# Altium PCB clock.PcbDoc (part 3 of 3)
Units mil, origin at the board's own origin, x right, y up, seen from the top; angles counter-clockwise.
Board outline 2362.2 x 2952.76 mil, 4 copper layers (Top Copper, Signal Layer 1, Signal Layer 2, Bottom Copper), stack 61.811 mil thick; 158 components, 86 nets, 506 pads, 629 vias.
Unrouted connection lines stored in the file: 8.
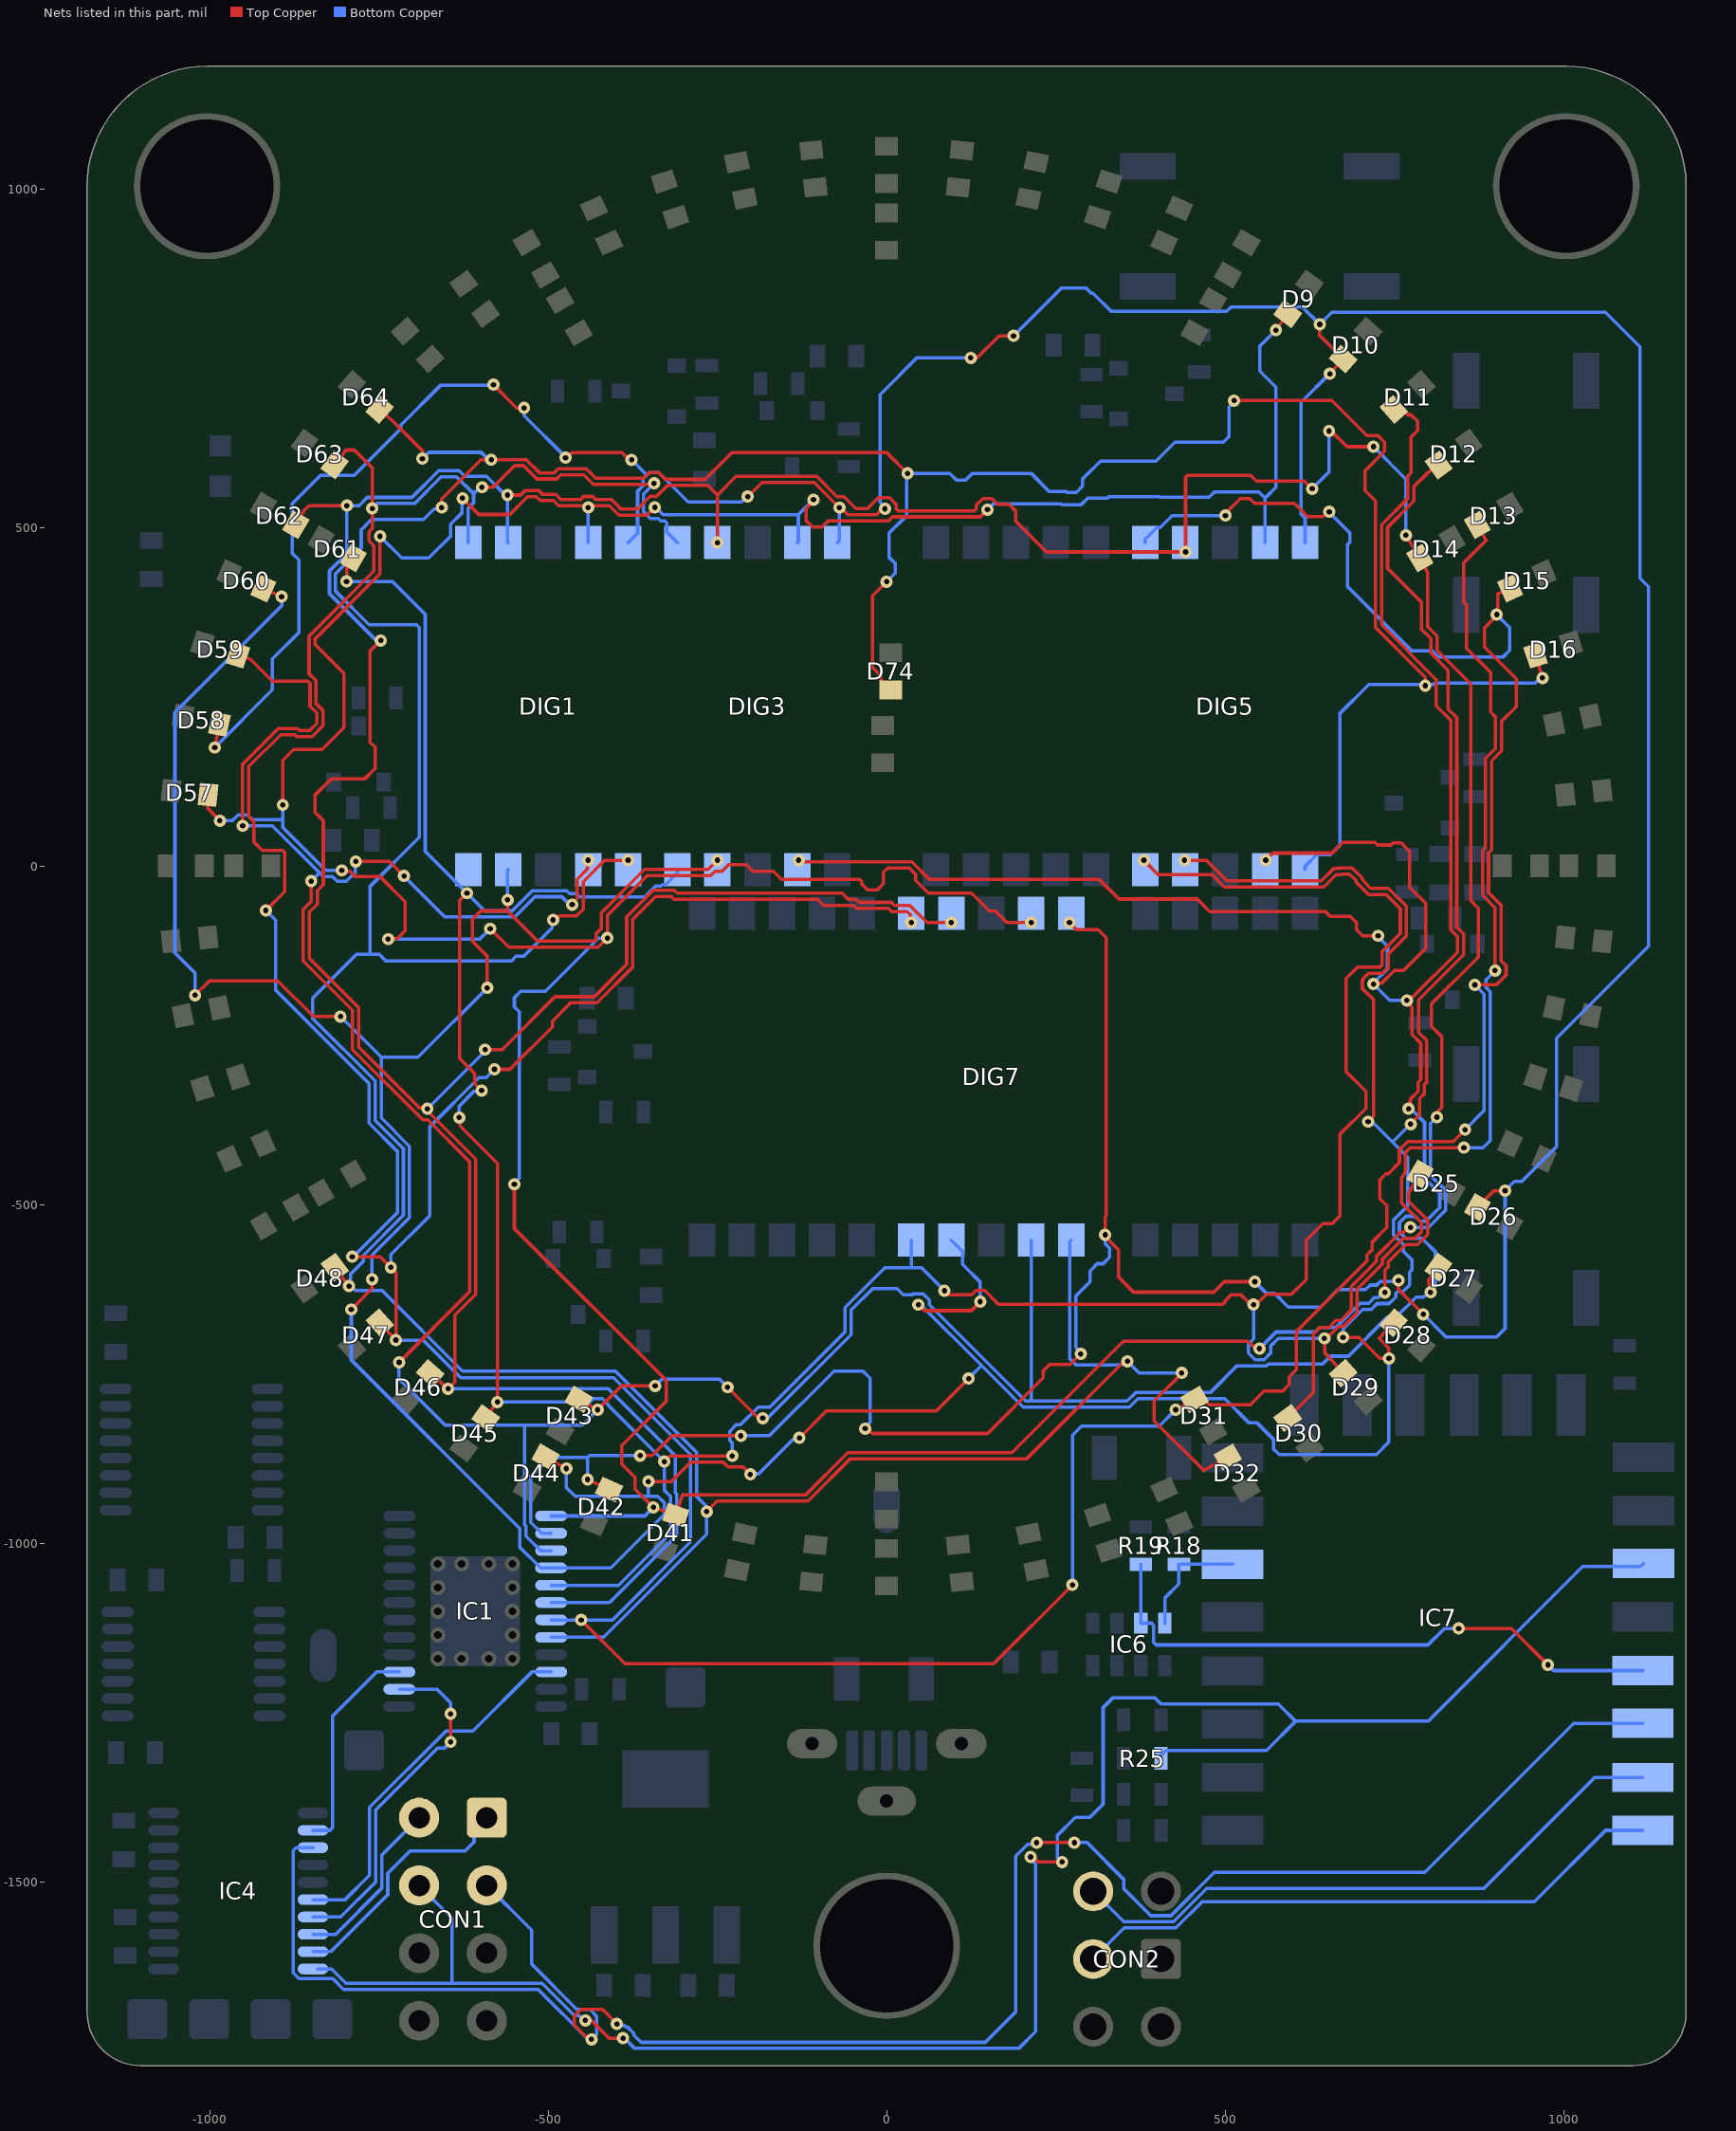
[diagram p5: the nets of this part, all layers, seen from the top]

## Via types
v1: diameter 18.11/18.11/18.11/18.11 (per signal layer), hole 7.87, Top Copper to Bottom Copper, tented both sides, 610 vias
v2: diameter 22, hole 11.81, Top Copper to Bottom Copper, tented both sides, 18 vias
v3: diameter 59.06, hole 39.37, Top Copper to Bottom Copper, tented both sides, 1 vias

## Nets (pads, with @x,y where several pads share a name; then routed paths per layer and width w, separated by ;. In a path a pad name is that pad's centre, name@x,y a point inside that pad or via, vN(x,y) a via of type N, cw(c..) or ccw(c..) an arc to the next point about the centre after c; other vN are vias at no path point) (continued)
ROW08: D9.2 D25.2 D41.2 D57.2 DIG1.7 DIG3.7 DIG5.7 DIG7.7 IC1.13 | length 6771.3
  Top Copper w5: D57.2@-1002.35,105.35 -1002.35,84.46 v1(-984.97,67.08) ; v1(-892.06,90.2) -892.06,156.15 -876.18,172.03 -833.97,172.03 -801.74,204.26 -801.74,284.5 -844.23,326.99 -844.23,335.77 -748.43,431.56 v1(-748.43,486.91) ; v1(-804.82,-6.39) -803.47,-7.73 -792.75,-7.73 -784.69,-15.8 -748.2,-15.8 -711.48,-52.52 -711.48,-95.65 -723.35,-107.52 -735.98,-107.52 v1(-736.37,-107.91) ; v1(-626.52,543.16) -602.54,519.19 -556.84,519.19 -530.74,545.28 -517.26,545.28 -511.8,539.82 -492.44,539.82 -484.61,531.99 -409.75,531.99 -395.77,518 -354.26,518 v1(-342.6,529.66) ; v1(-585.71,-92.56) -558.27,-120 -426.29,-120 v1(-412.62,-106.32) -412.62,-72.91 -353.9,-14.2 -260.05,-14.2 -253.55,-7.7 -243.26,-7.7 -233.56,2 -207.38,2 -197.69,-7.7 -167.15,-7.7 -155.15,-19.7 -40.23,-19.7 -37.3,-22.62 -37.3,-25.82 -27.76,-35.35 -14.28,-35.35 -4.74,-25.82 -4.74,-9.33 1.79,-2.79 33.46,-2.79 43,-12.33 43,-21.21 61.79,-40 125.28,-40 151.98,-66.69 160.86,-66.69 177.55,-83.39 v1(213.58,-83.39) ; v1(-550,-470) -550,-535.37 -325.74,-759.64 -325.74,-790.49 -391.18,-855.93 -391.18,-883.4 -371.71,-902.86 -371.71,-920.09 v1(-344.71,-947.09) D41.2@-311.45,-958.54 -301.85,-929 -119.93,-929 -57.11,-866.18 184.99,-866.18 349.51,-701.66 533.87,-701.66 544.88,-712.68 v1(550.79,-712.68) ; v1(-440.94,529.48) v1@-440.94,532 ; v1(-108.18,541.07) -107.52,540.42 -107.52,539.42 -118.73,528.21 -118.73,510.04 -109.2,500.51 -95.71,500.51 -86.5,509.72 2.66,509.72 8.66,515.72 138.12,515.72 v1(148.83,526.43) ; v1(575.06,791.5) D9.2@592.41,815.39 ; v1(735.87,-629.84) 735.87,-596.78 741.26,-591.39 741.26,-584.3 766.74,-558.83 784.22,-558.83 799.03,-544.02 799.03,-522.94 771.26,-495.17 771.26,-481.93 D25.2@787.61,-454.72
  Bottom Copper w5: v1(-984.97,67.08) -966.67,67.08 -958.09,75.66 -944.6,75.66 -937.32,68.38 -892.06,68.38 ; v1(-892.06,90.2) -892.06,68.38 ; v1(-804.82,-6.39) -828.79,-6.39 -892.06,56.88 -892.06,68.38 ; v1(-748.43,486.91) -716.52,455 -676.3,455 -644.3,487 -644.3,504.82 -627.11,522.01 -627.11,542.56 v1(-626.52,543.16) ; v1(-736.37,-107.91) -601.05,-107.91 v1(-585.71,-92.56) ; v1(-550,-470) -550,-467.8 -542.72,-460.52 -542.72,-215.32 -550,-208.04 -550,-194.55 -540.46,-185.01 -504.01,-185.01 -425.68,-106.68 -412.97,-106.68 v1(-412.62,-106.32) ; IC1.13@-495.59,-959.88 -357.5,-959.88 v1(-344.71,-947.09) ; DIG1.7@-440.94,477.64 v1@-440.94,527.52 ; v1(-342.6,529.66) -341.07,529.66 -330.13,518.72 -130.53,518.72 ; DIG3.7@-131.89,477.64 -130.53,479 -130.53,518.72 ; v1(-108.18,541.07) -130.53,518.72 ; v1(148.83,526.43) 157.3,534.91 257.92,534.91 259.06,533.77 287.45,533.77 297.04,543.36 326.36,543.36 328.68,545.68 402.32,545.68 403.43,544.57 476.3,544.57 484.36,552.64 549.78,552.64 559.06,543.36 DIG5.7@559.06,477.64 ; v1(550.79,-712.68) 575.32,-688.15 632.97,-688.15 639.82,-681.3 663.73,-681.3 699.31,-645.72 712.27,-645.72 720.88,-637.12 726.38,-637.12 733.66,-629.84 v1(735.87,-629.84) ; 561.38,545.68 575.06,559.36 575.06,707.42 551.32,731.16 551.32,767.77 v1(575.06,791.5)
ROW09: D10.2 D26.2 D42.2 D58.2 DIG1.6 DIG3.6 DIG5.6 DIG7.6 IC1.14 | length 7707.8
  Top Copper w5: v1(-992.56,175.02) D58.2@-985.85,209.55 ; v1(-580.84,710.83) -546.63,676.62 v1(-535.61,676.62) ; v1(-474.29,603.01) -472.08,603.01 -464.8,610.29 -390.9,610.29 v1@-380.44,599.84 ; v1(-441.82,-905.87) D42.2@-409.94,-920.74 ; v1(-364.32,-870.66) -346.37,-870.66 -317.14,-841.43 v1(-215.52,-841.43) ; v1(-205.15,545.52) -184.21,566.45 -106.95,566.45 v1(-69.86,529.36) -67.73,529.36 -57.09,518.72 -14.91,518.72 -5.99,527.64 v1(-2.44,527.64) ; v1(-31.78,-830.72) -28.23,-830.72 -20.95,-838 149.05,-838 231.12,-755.93 231.12,-745.64 240.65,-736.1 271.18,-736.1 v1(286.65,-720.63) ; v1(124.16,750.44) 133.44,750.44 165.96,782.96 v1(187.43,782.96) ; v1(270,-83.39) 280.57,-93.96 312.51,-93.96 324.35,-105.8 324.35,-516.25 322.82,-517.78 v1(322.8,-544.55) ; v1@322.8,-542.55 v1(322.8,-544.55) ; v1(543.83,-613.88) 498.87,-613.88 483.38,-629.37 364.7,-629.37 342.36,-607.03 342.36,-567.06 322.8,-547.5 v1(322.8,-544.55) ; v1(639.76,799.94) 639.76,783.64 D10.2@674.4,749 v1@656.41,729.01 ; v1(756.04,-612.07) 756.11,-612.14 756.11,-625.42 v1(792.7,-662.01) ; D26.2@872.84,-503.94 897.27,-479.51 v1(913.65,-479.51)
  Bottom Copper w5: v1(-992.56,175.02) -907.29,260.28 -907.29,305.98 -868.48,344.78 -868.48,452.09 -878.21,461.81 -878.21,535.27 -836.25,577.23 -786.35,577.23 -717.54,646.04 -717.54,651.28 -658.53,710.29 -581.38,710.29 v1(-580.84,710.83) ; v1(-535.61,676.62) -535.61,665.15 -474.29,603.82 v1(-474.29,603.01) ; IC1.14@-495.59,-985.47 -509.35,-985.47 -525.72,-969.1 -525.72,-901.63 -497.71,-873.62 -441.82,-873.62 v1(-441.82,-905.87) ; -441.82,-873.59 -438.89,-870.66 v1(-364.32,-870.66) ; DIG1.6@-381.89,477.64 -367.88,491.64 -367.88,553.59 -359.93,561.55 -359.93,571.84 -354.41,577.36 ; v1(-376.9,599.84) -354.41,577.36 ; v1(-215.52,-841.43) -215.35,-841.27 -173.21,-841.27 -77.66,-745.72 -35.26,-745.72 -24.5,-756.48 -24.5,-821.24 -31.78,-828.52 v1(-31.78,-830.72) ; v1(-205.15,545.52) -207.08,545.52 -214.64,537.96 -293.48,537.96 -336.9,581.38 -350.39,581.38 -354.41,577.36 ; DIG3.6@-72.83,477.64 -69.86,480.61 v1(-69.86,529.36) ; v1(-2.44,527.64) -2.44,529.84 -9.72,537.12 -9.72,696.19 44.53,750.44 v1(124.16,750.44) ; v1(187.43,782.96) 257.77,853.3 294.94,853.3 302.24,846 304.81,846 331.62,819.19 502.21,819.19 508.3,825.28 614.42,825.28 v1(639.76,799.94) 657.82,818 1061.71,818 1112.93,766.79 1112.93,424.8 1125.56,412.17 1125.56,-118.44 989.74,-254.26 989.74,-414.26 938.04,-465.96 927.2,-465.96 v1(913.65,-479.51) 913.65,-682.69 900.6,-695.74 826.42,-695.74 v1(792.7,-662.01) ; v1(286.65,-720.63) 286.65,-718.43 279.37,-711.15 279.37,-634.85 300.38,-613.84 300.38,-598.07 311.17,-587.28 319.74,-587.28 329.28,-577.74 329.28,-564.26 322.81,-557.79 v1(322.8,-544.55) ; v1(543.83,-613.88) 560.79,-630.84 572.88,-630.84 593.23,-651.2 641.03,-651.2 666.53,-625.69 707.42,-625.69 714.33,-618.79 723.9,-618.79 729.12,-613.56 754.56,-613.56 v1(756.04,-612.07) ; DIG5.6@618.11,477.64 618.11,513.95 612.26,519.8 612.26,684.67 v1(654.64,727.05)
ROW10: D11.2 D27.2 D43.2 D59.2 DIG1.4 DIG3.4 DIG5.4 DIG7.4 IC1.15 | length 7443.1
  Top Copper w5: D59.2@-958.54,311.45 -939.82,305.37 -907.61,273.16 -855.14,273.16 -851.8,269.82 -851.8,235.95 -841.84,225.99 -841.84,210.88 -852.53,200.19 -867.65,200.19 -870.46,203 -898.84,203 -951.34,150.49 v1(-951.34,59.38) ; v1(-850.1,-22.26) -850.1,-52.27 -861.97,-64.15 -861.97,-140.02 -789.07,-212.93 -789.07,-270.93 -685.23,-374.77 -677.96,-374.77 -615.98,-436.75 -615.98,-628.66 v1(-720.23,-732.91) ; v1(-784.2,6.73) -734.39,6.73 v1(-713.04,-14.61) ; v1(-464.58,-57.08) -464.58,-54.88 -457.3,-47.6 -457.3,-19.57 -441.75,-4.02 -441.75,7.78 v1(-440.94,8.58) ; D43.2@-454.72,-787.61 v1@-427.03,-803.12 ; v1(-426.96,-803) -391.85,-767.88 v1(-342.02,-767.88) ; v1(-235.05,-769.78) -189.49,-815.34 v1(-183.08,-815.34) ; v1(-130,8.58) -127.62,6.21 37.19,6.21 63.39,-20 314.27,-20 343.07,-48.79 458.8,-48.79 464,-54 ; 464.02,-54 477.12,-67.1 648.21,-67.1 655.29,-74.17 684.57,-74.17 694.1,-83.71 694.1,-94 703.13,-103.03 v1(725.88,-103.03) ; v1(560,8.58) 570.57,19.15 657.98,19.15 673.61,34.78 721.35,34.78 725.05,31.08 745.22,31.08 748.63,34.5 759.86,34.5 772.58,21.78 772.58,-31.43 796.26,-55.11 796.26,-121.65 763.69,-154.21 750.15,-154.21 731.55,-172.81 720.74,-172.81 v1(719.18,-174.37) ; D11.2@749,674.4 762.68,674.4 770.8,666.28 774.74,666.28 784.28,656.74 784.28,643.26 774.45,633.43 774.45,580.45 770,576 770,542.9 731.01,503.92 731.01,356.22 811.94,275.3 811.94,236.56 833.26,215.24 833.26,-94.18 843.16,-104.08 843.16,-127.43 777,-193.59 ; v1(768.49,-198.49) 768.49,-200.27 776.19,-207.97 776.19,-248.92 789,-261.73 789,-315.35 785,-319.35 785,-332.87 773.54,-344.33 773.54,-355.97 v1(771.03,-358.48) ; v1@803.14,-630.58 800.49,-612.36 D27.2@815.39,-592.41
  Bottom Copper w5: v1(-951.34,59.38) -907.29,59.38 -837.88,-10.03 ; v1(-850.1,-22.26) -837.88,-10.03 ; v1(-784.2,6.73) -785.23,5.7 -785.23,-9.82 -798.08,-22.67 -811.56,-22.67 -818.84,-15.39 -832.52,-15.39 -837.88,-10.03 ; v1(-720.23,-732.91) -720.23,-757.77 -652.25,-825.75 -534.72,-825.75 ; v1(-713.04,-14.61) -652.37,-75.28 -549.53,-75.28 -519.55,-45.3 -479.91,-45.3 -468.12,-57.08 v1(-464.58,-57.08) ; IC1.15@-495.59,-1011.06 -511.34,-1011.06 -532.87,-989.53 -532.87,-974.67 -534.72,-972.83 -534.72,-825.75 ; v1(-426.96,-803) -449.71,-825.75 -534.72,-825.75 ; v1(-342.02,-767.88) -331.69,-757.56 -247.27,-757.56 v1(-235.05,-769.78) ; v1(-183.08,-815.34) -175.98,-815.34 -52.51,-691.87 -52.51,-655.78 -20.63,-623.9 15.59,-623.9 24.7,-633 38.18,-633 39.63,-631.56 53.57,-631.56 63.11,-641.09 63.11,-648.01 205.34,-790.24 213.58,-790.24 ; DIG7.4@213.58,-552.44 213.58,-790.24 ; v1(725.88,-103.03) 725.88,-104.35 740,-118.46 740,-151.77 719.18,-172.6 v1(719.18,-174.37) 743.3,-198.49 v1(768.49,-198.49) ; v1(771.03,-358.48) 774.4,-358.48 794.55,-378.62 794.55,-460.74 817,-483.19 817,-504.27 796.73,-524.55 787.78,-524.55 780.5,-517.27 767.01,-517.27 757.47,-526.8 757.47,-540.29 767.01,-549.83 790.71,-549.83 810.68,-569.8 810.68,-619.97 803.4,-627.25 v1(803.4,-629.45) 800.47,-629.45 793.19,-636.73 782.22,-636.73 753.11,-665.85 740.06,-665.85 682.08,-723.82 655.56,-723.82 644.08,-735.29 563.93,-735.29 561.26,-737.96 517.71,-737.96 477.95,-777.72 367.63,-777.72 355.1,-790.24 213.58,-790.24
ROW11: D12.2 D28.2 D44.2 D60.2 DIG1.2 DIG3.2 DIG5.2 DIG7.2 IC1.16 | length 7421.8
  Top Copper w5: v1(-1021.66,-190.7) -1000.38,-169.42 -899.58,-169.42 -846.69,-222.31 v1(-806.71,-222.31) ; D60.2@-920.74,409.94 v1(-893.76,397.93) ; v1(-790.89,-654.88) -760.27,-624.27 v1(-760.27,-610.31) ; v1(-590,-180) -590,-132.99 -611.69,-111.3 -611.69,-78.67 -599.3,-66.28 -562.87,-66.28 -560,-63.41 v1(-560,-50) ; -561.43,-64.85 -515.28,-111 -431.83,-111 -428.9,-108.07 -428.9,-99.58 -421.62,-92.3 -421.62,-69.18 -357.63,-5.2 -263.78,-5.2 v1(-250,8.58) ; D44.2@-503.94,-872.84 v1@-473.24,-890.03 ; v1(-352,-909) -318.2,-909 -289.29,-880.1 -242.01,-880.1 -234.73,-887.38 -212.49,-887.38 v1(-201.46,-898.4) ; v1(-128.83,-844.48) -89.35,-805 73,-805 v1(121,-757) ; v1(46.83,-647.83) 47.49,-647.83 56.31,-656.66 124.99,-656.66 v1(138.32,-643.33) ; v1(440,8.58) 472.33,8.58 502.61,-21.7 642.25,-21.7 660.1,-3.85 667.51,-3.85 668.57,-2.78 687.5,-2.78 702.31,-17.59 702.31,-19.87 715.29,-32.85 741.17,-32.85 767.87,-59.55 767.87,-103.11 740.72,-130.26 740.72,-150.14 732.77,-158.09 712.44,-158.09 702.9,-167.62 702.9,-181.11 719.09,-197.29 719.09,-369.72 v1(711.28,-377.52) ; v1(674.2,-696.14) 697.37,-696.14 728.3,-727.07 v1(742,-727.07) 742,-712.12 727.5,-697.63 727.5,-697.45 D28.2@749,-674.4 ; v1(774.02,-381.11) 787.31,-367.82 787.31,-343.28 794,-336.59 794,-323.07 798,-319.07 798,-258 785.91,-245.91 785.91,-197.41 852.16,-131.16 852.16,-100.35 842.26,-90.45 842.26,218.97 829.46,231.77 829.46,289.27 804.06,314.67 804.06,335.92 790.24,349.74 790.24,389.57 740.01,439.79 740.01,500.19 779,539.17 779,560.38 799.46,580.84 D12.2@815.39,592.41
  Bottom Copper w5: v1(-1021.66,-190.7) -1021.66,-158.07 -1051.45,-128.28 -1051.45,226.69 -893.76,384.38 v1(-893.76,397.93) ; v1(-806.71,-222.31) -746.63,-282.39 ; v1(-790.89,-654.88) -790.89,-729.38 -541.87,-978.4 -541.87,-1006.12 -511.34,-1036.65 IC1.16@-495.59,-1036.65 -407.65,-1036.65 -328.43,-957.43 -328.43,-940.35 -337.97,-930.81 -352,-930.81 ; v1(-760.27,-610.31) -760.27,-574.75 -704.9,-519.38 -704.9,-413.81 -746.63,-372.07 -746.63,-282.39 ; v1(-590,-180) -692.39,-282.39 -746.63,-282.39 ; v1(-560,-50) -560,-6.14 DIG1.2@-559.05,-5.2 ; v1(-473.17,-889.9) -473.17,-917.83 -460.19,-930.81 -352,-930.81 ; v1(-352,-909) -352,-930.81 ; v1(-201.46,-898.4) -200.63,-897.57 -188.88,-897.57 -138.3,-846.99 -131.34,-846.99 v1(-128.83,-844.48) ; v1(46.83,-647.83) 50.2,-647.83 140.04,-737.67 ; DIG7.2@95.47,-552.44 112.13,-569.1 112.13,-588.42 138.32,-614.61 v1(138.32,-643.33) ; v1(121,-757) 121,-756.7 140.04,-737.67 ; v1(674.2,-696.14) 674.62,-695.73 674.62,-683.14 703.04,-654.72 716,-654.72 724.6,-646.12 742.61,-646.12 752.15,-636.58 752.15,-631.28 755.07,-628.35 762.78,-628.35 772.32,-618.82 772.32,-599.58 776.29,-595.62 776.29,-582.13 763.28,-569.13 763.28,-558.83 748.47,-544.02 748.47,-523.08 769.76,-501.79 769.76,-430.21 747.34,-407.79 ; v1(711.28,-377.52) 711.68,-377.92 714.87,-381.11 720.67,-381.11 747.34,-407.79 ; v1(742,-727.07) 742,-850.42 723.36,-869.06 579.75,-869.06 571.28,-860.6 571.28,-846.51 546.77,-822 534.86,-822 499.58,-786.72 371.36,-786.72 358.83,-799.24 201.61,-799.24 140.04,-737.67 ; v1(774.02,-381.11) 747.34,-407.79
ROW12: D13.2 D29.2 D45.2 D61.2 DIG1.1 DIG3.1 DIG5.1 DIG7.1 IC1.17 | length 6444.2
  Top Copper w5: v1(-797.83,420.34) -797.83,441.68 -799.24,443.09 D61.2@-787.61,454.72 ; v1(-631.34,-371.34) -630.34,-372.34 -630.34,-383.75 -575.06,-439.03 v1(-575.06,-791.5) D45.2@-592.41,-815.39 ; v1(-620,-40) -630.96,-50.96 -630.96,-284.04 -608.44,-306.56 -608.44,-321.32 v1(-598.28,-331.48) ; v1(-328.43,-879.51) -320.02,-871.1 v1(-227.99,-871.1) ; v1(85.32,-627.18) 91.16,-633.02 125.6,-633.02 131.58,-627.05 145.06,-627.05 165.05,-647.04 496.89,-647.04 499.82,-644.11 499.82,-642.41 509.36,-632.88 522.84,-632.88 533.13,-643.16 533.86,-643.16 537.74,-647.04 546.21,-647.04 550.14,-643.11 550.76,-643.11 561.21,-632.66 597.91,-632.66 619.98,-610.59 619.98,-552.63 644.53,-528.09 657.98,-528.09 669.82,-516.25 669.82,-395.96 707.94,-357.85 707.94,-332.69 678.82,-303.58 678.82,-166.08 695.81,-149.09 728.79,-149.09 731.72,-146.16 731.72,-126.53 758.87,-99.38 758.87,-63.28 737.44,-41.85 711.56,-41.85 693.31,-23.6 693.31,-21.32 683.77,-11.78 672.3,-11.78 671.23,-12.85 663.83,-12.85 645.98,-30.7 498.88,-30.7 481.18,-13 401.58,-13 v1(380,8.58) ; v1@646.09,-703.14 646.94,-703.99 646.94,-718.5 648.23,-719.93 D29.2@674.4,-749 ; v1(646.57,-697.58) 649.74,-697.58 667.46,-679.86 674.79,-679.86 695.1,-659.55 695.1,-624.83 732.26,-587.66 732.26,-580.58 763.01,-549.83 780.5,-549.83 790.03,-540.29 790.03,-526.8 760.86,-497.63 760.86,-460.5 766.5,-450.73 766.5,-422.68 773.24,-415.93 v1(852.79,-415.93) ; D13.2@872.84,503.94 885.74,480.92 852.59,447.77 852.59,389.68 856.73,385.54 856.73,321.43 892.2,285.97 892.2,227.49 899.47,220.21 899.47,173.8 884.55,158.87 884.55,27.45 880.17,23.07 880.17,-42.96 898.76,-61.55 v1(898.75,-154.3)
  Bottom Copper w5: v1(-797.83,420.34) -730.34,420.34 -681.6,371.6 -681.6,21.6 v1(-620,-40) -593.72,-66.28 -553.26,-66.28 -523.28,-36.3 -472.7,-36.3 -468.2,-40.81 -457.83,-40.81 -452.89,-45.75 -357.51,-45.75 -341.26,-29.5 -333.36,-29.5 -331.16,-27.3 -326.24,-27.3 -309.05,-10.12 DIG3.1@-309.05,-5.2 ; v1(-631.34,-371.34) -631.34,-354.25 -610.13,-333.04 -599.83,-333.04 v1(-598.28,-331.48) ; v1(-575.06,-791.5) -438.48,-791.5 -433.7,-786.72 -420.22,-786.72 -410.68,-796.25 -410.68,-797.26 v1(-328.43,-879.51) -328.43,-922.08 -319.43,-931.08 -319.43,-985.22 -396.45,-1062.24 IC1.17@-495.59,-1062.24 ; v1(-227.99,-871.1) -227.99,-851.98 -231.8,-848.18 -231.8,-834.69 -222.26,-825.16 -215.92,-825.16 -189.82,-799.06 -172.43,-799.06 -61.51,-688.14 -61.51,-652.05 -2.92,-593.47 36.42,-593.47 ; DIG7.1@36.42,-552.44 36.42,-593.47 ; v1(85.32,-627.18) 51.61,-593.47 36.42,-593.47 ; v1(541.97,-647.73) 541.97,-698.48 534.51,-705.93 534.51,-719.42 544.05,-728.96 557.54,-728.96 567.07,-719.42 567.07,-709.12 578.62,-697.58 v1(646.57,-697.58) ; v1(852.79,-415.93) 881.24,-415.93 891.67,-405.5 891.67,-185.63 885.06,-179.02 885.06,-167.99 v1(898.75,-154.3)
ROW13: D14.2 D30.2 D46.2 D62.2 DIG1.9 DIG3.9 DIG5.9 DIG7.9 IC1.18 | length 7086.2
  Top Copper w5: D62.2@-872.84,503.94 -859.35,526.61 -853.64,532.33 v1(-797.33,532.33) ; v1(-747.33,333.09) -763.03,317.39 -763.03,182.78 -755.72,175.47 -755.72,144.04 -771.23,128.52 -820.81,128.52 -844.71,104.62 -844.71,79.67 -832.23,67.19 -832.23,-27.41 -841.1,-36.28 -841.1,-56 -852.97,-67.87 -852.97,-136.29 -780.07,-209.2 -780.07,-267.21 -690.34,-356.93 -680.05,-356.93 v1(-678.49,-358.49) ; v1@-680,-360 -606.98,-433.02 -606.98,-632.39 -637.93,-663.34 -637.93,-762.16 v1(-647.85,-772.08) D46.2@-674.4,-749 ; v1(-593.26,-271.14) -593.12,-271 -567.98,-271 -489.98,-193 -431.73,-193 -384,-145.27 -384,-74.83 -344.82,-35.65 -313.86,-35.65 -309.4,-40.11 -65.89,-40.11 -56.89,-49.11 -45.24,-49.11 -40.7,-53.65 6.68,-53.65 11.14,-58.11 34.16,-58.11 59.44,-83.39 v1(95.47,-83.39) ; v1(-560.14,547.91) -540.84,547.91 -534.47,554.28 -513.53,554.28 -508.07,548.82 -488.71,548.82 -480.88,540.99 -452.46,540.99 -447.69,545.76 -434.2,545.76 -429.43,540.99 -406.03,540.99 -392.04,527 -368.28,527 -349.35,545.94 -339.79,545.94 -323.72,562 -264.09,562 -250,547.91 ; v1(-250,477.64) -250,547.91 ; D30.2@592.41,-815.39 630.29,-777.51 630.29,-690.84 639.82,-681.3 653.3,-681.3 663.73,-670.86 671.06,-670.86 686.1,-655.83 686.1,-621.1 723.26,-583.93 723.26,-576.85 759.29,-540.83 764.27,-540.83 771.55,-533.55 v1(773.75,-533.55) ; v1(628.54,557.18) 617.12,568.59 546.11,568.59 537.45,577.25 444.61,577.25 441.68,574.32 v1(441.68,463.86) 236.05,463.86 190.28,509.63 190.28,524.74 180.74,534.28 164.01,534.28 155.57,542.71 142.09,542.71 132.55,533.18 132.55,527.65 129.62,524.72 16.77,524.72 13.84,527.65 13.84,534.38 4.3,543.92 -12.06,543.92 -28.26,527.72 -45.2,527.72 -63.12,545.64 -73.41,545.64 -103.23,575.45 -222.46,575.45 -250,547.91 ; v1(653.5,642.43) 656.74,642.43 679.87,619.3 v1(719.23,619.3) ; v1(767.02,488.65) D14.2@787.61,454.72 799.24,433.95 799.24,353.47 813.06,339.65 813.06,318.4 862.73,268.73 862.73,-50.94 874.08,-62.29 874.08,-134.51 804.95,-203.63 804.95,-236.95 819.87,-251.87 819.87,-356.77 815.38,-361.26 815.38,-368.38 v1(812.87,-370.89)
  Bottom Copper w5: v1(-747.33,333.09) -749.84,335.6 -756.6,335.6 -823.11,402.11 -823.11,435.73 -797.33,461.51 v1(-797.33,532.33) -779.47,532.33 -767.4,544.4 -701.33,544.4 -661.73,584 -631.61,584 -623.32,575.72 -591.02,575.72 v1@-563.27,547.97 ; v1(-678.49,-358.49) -593.26,-273.26 v1(-593.26,-271.14) ; v1(-647.85,-772.08) -410.92,-772.08 -312.15,-870.85 -312.15,-925.63 -310.43,-927.35 -310.43,-988.95 -409.32,-1087.83 IC1.18@-495.59,-1087.83 ; v1@-560,547.97 -560,478.58 DIG1.9@-559.05,477.64 ; v1(628.54,557.18) 653.5,582.14 v1(653.5,642.43) ; v1(719.23,619.3) 767.02,571.51 v1(767.02,488.65) ; v1(773.75,-533.55) 800.45,-533.55 826,-508 826,-479.46 803.55,-457.01 803.55,-380.22 v1(812.87,-370.89)
ROW14: D15.2 D31.2 D47.2 D63.2 DIG1.10 DIG3.10 DIG5.10 DIG7.10 IC1.19 | length 8083.5
  Top Copper w5: v1(-917.05,-65.61) -889.17,-37.73 -889.17,20.3 -892.1,23.23 -922.25,23.23 -935.06,36.04 -935.06,66.12 -942.34,73.4 -942.34,146.77 -895.11,194 -874.19,194 -871.37,191.19 -848.8,191.19 -832.84,207.15 -832.84,229.84 -842.8,239.8 -842.8,273.54 -853.23,283.98 -853.23,339.5 -757.43,435.29 -757.43,472.89 -764.71,480.17 -764.71,493.65 -759.99,498.38 v1(-759.99,528.12) -759.99,587.98 -786.46,614.45 -798.7,614.45 -799.6,613.55 D63.2@-815.39,592.41 ; v1(-789.48,-577.08) -748.09,-577.08 -725,-600.16 v1(-725,-700.13) D47.2@-749,-674.4 ; v1(-597.76,559.44) -581.59,559.44 -549.74,591.28 -536.26,591.28 -516.7,571.72 -487.55,571.72 -481.54,577.73 -447.44,577.73 -433.49,563.79 -344.96,563.79 v1(-343.65,565.1) ; v1(-579.44,-300.18) -556.67,-300.18 -493.8,-237.3 -493.8,-229.17 -466.63,-202 -428,-202 -375,-149 -375,-78.56 -341.09,-44.65 -318.92,-44.65 -314.47,-49.11 -102.27,-49.11 -93.27,-58.11 -48.97,-58.11 -44.42,-62.65 2.95,-62.65 7.41,-67.11 30.43,-67.11 34.86,-71.53 34.86,-81.83 v1(36.42,-83.39) ; v1(-451.3,-1113.42) -386.58,-1178.14 157.92,-1178.14 v1(274.53,-1061.53) ; v1(426.96,-803) D31.2@454.72,-787.61 468.34,-787.61 476.48,-795.75 537.04,-795.75 557.64,-775.15 585.29,-775.15 594.83,-765.61 594.83,-754.17 605.28,-743.72 605.28,-687.52 709.65,-583.15 709.65,-574.37 716.93,-567.09 716.93,-555.72 738.7,-533.95 738.7,-501.43 728.2,-490.93 728.2,-463.98 737.74,-454.44 740.97,-454.44 757.5,-437.91 757.5,-418.95 769.51,-406.93 836.88,-406.93 v1(854.43,-389.39) ; v1(500.53,517.51) 500.53,520.81 522.58,542.86 536.07,542.86 543.35,535.58 602.42,535.58 621.93,516.07 644.3,516.07 651.33,523.1 v1(653.78,523.1) ; v1(868.78,-175.47) 900.6,-175.47 915.03,-161.05 915.03,-147.56 907.76,-140.3 907.76,-57.82 889.17,-39.23 889.17,19.34 893.55,23.72 893.55,155.15 908.47,170.07 908.47,213.81 929.92,235.25 929.92,276.57 883.25,323.25 883.25,351.9 901.14,369.79 v1(901.14,371.42) 902.76,373.04 902.76,401.93 D15.2@920.74,409.94
  Bottom Copper w5: v1(-917.05,-65.61) -902.59,-80.07 -902.59,-183.22 -764.63,-321.18 -764.63,-379.53 -722.9,-421.26 -722.9,-511.92 -788.05,-577.08 v1(-789.48,-577.08) ; v1(-759.99,528.12) -752.71,535.4 -697.6,535.4 -658,575 -635.34,575 -610.24,549.9 ; v1(-732.38,-592.79) -732.38,-573.75 -674.74,-516.11 -674.74,-384.92 -602.25,-312.44 -591.7,-312.44 v1(-579.44,-300.18) ; v1(-725,-700.13) -684.89,-700.13 -629.22,-755.8 -403.45,-755.8 -289.97,-869.28 -289.97,-998.24 -405.15,-1113.42 v1(-451.3,-1113.42) IC1.19@-495.59,-1113.42 ; DIG1.10@-618.11,477.64 -618.11,528.54 -610.24,536.41 -610.24,549.9 ; v1(-597.76,559.44) -600.7,559.44 -610.24,549.9 ; v1(-343.65,565.1) -358.88,549.86 -358.88,522.91 -349.35,513.38 -337.52,513.38 -333.86,509.72 -327.62,509.72 -324.69,506.79 -324.69,493.27 DIG3.10@-309.05,477.64 ; v1(274.53,-1061.53) 274.53,-840.66 287.83,-827.36 402.59,-827.36 v1(426.96,-803) ; DIG5.10@381.89,477.64 381.89,482.56 399.07,499.74 404,499.74 421.77,517.51 v1(500.53,517.51) ; v1(653.78,523.1) 653.78,522.51 684.4,491.89 684.4,478.41 681.07,475.08 681.07,412.27 775.57,317.77 805.96,317.77 814.71,309.02 910.96,309.02 920.5,318.56 920.5,352.06 v1(901.14,371.42) ; v1(854.43,-389.39) 882.67,-361.15 882.67,-189.36 v1(868.78,-175.47)
ROW15: D16.2 D32.2 D48.2 D64.2 D74.2 DIG1.5 DIG5.5 DIG7.5 IC1.20 | length 7578.5
  Top Copper w5: D48.2@-815.39,-592.41 v1(-794.22,-620.51) ; D64.2@-749,674.4 -727.05,654.64 -685.78,613.37 v1(-685.78,601.6) ; v1(-657.4,529.49) -657.4,541.9 -599.26,600.04 -553.71,600.04 -553.47,600.28 -532.53,600.28 -512.97,580.72 -491.28,580.72 -485.27,586.73 -443.71,586.73 -437.69,580.72 -429.76,572.79 -358.98,572.79 -350.39,581.38 -336.9,581.38 -326.52,571 -268.05,571 -228.75,610.29 0.48,610.29 v1(30.92,579.85) ; v1(-492.73,-79.6) -489.48,-79.6 -483.24,-73.36 -457.83,-73.36 -448.3,-63.83 -448.3,-23.3 -416.42,8.58 v1(-381.89,8.58) ; v1(-265.95,-953.3) -250.65,-938 -116.2,-938 -53.38,-875.18 206.96,-875.18 350.74,-731.4 v1(355.78,-731.4) ; v1(0,420) -21.12,398.88 -21.12,293.4 -8.09,280.37 -8.09,271.28 3.18,260 D74.2@6,260 ; v1(435.94,-748.56) 435.94,-749.25 395.17,-790.01 395.17,-819.51 468.4,-892.74 D32.2@503.94,-872.84 ; v1(513.2,687.46) 657.74,687.46 709.62,635.58 725.97,635.58 735.51,626.04 735.51,612.56 706.52,583.57 706.52,554.55 722.01,539.05 722.01,352.5 795.66,278.85 v1(795.66,266.43) ; D16.2@958.55,311.45 v1(968.83,277.81)
  Bottom Copper w5: v1(-794.22,-620.51) -791.71,-618 -791.71,-602.33 -773.2,-583.82 -773.2,-574.95 -713.9,-515.65 -713.9,-417.53 -755.63,-375.8 -755.63,-317.45 -847.8,-225.29 -847.8,-195.04 -783.3,-130.55 -762.96,-130.55 ; -785.7,-625.47 -784.58,-626.59 -745.69,-626.59 -626.56,-745.73 -400.79,-745.73 -280.97,-865.55 -280.97,-930.82 -265.95,-945.84 v1(-265.95,-953.3) -265.95,-986.72 -265.83,-986.83 -418.01,-1139.01 IC1.20@-495.59,-1139.01 ; v1(-685.78,601.6) -685.64,601.6 -676.29,610.95 -598.95,610.95 -588.04,600.04 v1(-584.06,600.04) ; v1(-657.4,529.49) -659.55,527.34 -668.66,527.34 -684.16,511.84 -760.98,511.84 -776.2,496.62 -776.2,469.91 -814.11,432 -814.11,405.84 -764.63,356.36 -694.89,356.36 -690.6,352.07 -690.6,42.5 -762.96,-29.85 -762.96,-130.55 ; v1(-492.73,-79.6) -494.29,-81.16 -494.29,-91.46 -535.95,-133.12 -547.34,-133.12 -554.62,-140.4 -739.63,-140.4 -749.48,-130.55 -762.96,-130.55 ; v1(0,420) 12.51,432.51 12.51,446.97 3.34,456.13 3.34,491.36 29.8,517.82 29.8,578.73 v1(30.92,579.85) 93.44,579.85 103.32,569.97 116.8,569.97 126.83,580 213.3,580 240.39,552.91 265.38,552.91 266.51,551.77 280,551.77 289.53,561.31 289.53,571.6 315.93,598 397.73,598 425.73,626 497.29,626 505.49,634.2 505.49,677.98 513.2,685.68 v1(513.2,687.46) ; DIG7.5@272.64,-552.44 270.37,-554.71 270.37,-727.38 279.9,-736.91 346.72,-736.91 352.23,-731.4 v1(355.78,-731.4) 372.95,-748.56 v1(435.94,-748.56) ; DIG5.5@618.11,-5.2 618.11,-0.47 635.29,16.71 655.54,16.71 669.82,31 669.82,225.82 712.12,268.12 783.67,268.12 783.8,267.99 794.1,267.99 v1(795.66,266.43) 797.22,267.99 807.51,267.99 809.57,270.05 957.8,270.05 965.56,277.81 v1(968.83,277.81)
RX: CON2.3 IC7.21 | length 918.9
  Bottom Copper w5: CON2.3@305.12,-1514.17 350.15,-1559.2 423.77,-1559.2 473,-1509.97 882.14,-1509.97 1045.98,-1346.13 IC7.21@1117.13,-1346.13
SCL: IC6.7 IC7.19 R19.1 | length 892.8
  Top Copper w5: v1(845,-1126) 923,-1126 v1(976.78,-1179.78)
  Bottom Copper w5: R19.1@375.49,-1031.13 IC6.7@375.49,-1118.14 391.65,-1118.14 394.58,-1121.07 394.58,-1146.52 398.44,-1150.39 799.61,-1150.39 824,-1126 v1(845,-1126) ; v1(976.78,-1179.78) 985.13,-1188.13 IC7.19@1117.13,-1188.13
SDA: IC6.8 IC7.6 R18.1 | length 175
  Bottom Copper w5: IC6.8@410.92,-1118.14 410.92,-1080.91 431.58,-1060.25 R18.1@431.58,-1031.13 IC7.6@511,-1031.13
SDI: IC1.2 IC4.17 | length 514.9
  Top Copper w5: v1(-644.14,-1293.57) v1(-644.14,-1252.01)
  Bottom Copper w5: IC4.17@-847.53,-1552.09 -806.46,-1552.09 -754.97,-1500.6 -754.97,-1394.11 -663.25,-1302.38 -652.95,-1302.38 v1(-644.14,-1293.57) ; IC1.2@-720,-1215.78 -664.02,-1215.78 -644.14,-1235.67 v1(-644.14,-1252.01)
SDO: IC1.22 IC4.16 | length 549.9
  Bottom Copper w5: IC4.16@-847.53,-1526.5 -799.9,-1526.5 -763.97,-1490.57 -763.97,-1390.38 -650.88,-1277.29 -611.13,-1277.29 -524.02,-1190.19 IC1.22@-495.59,-1190.19
SERCLK: IC1.3 IC4.12 | length 320.9
  Bottom Copper w5: IC4.12@-847.53,-1424.14 -822.5,-1424.14 -818.4,-1420.03 -818.4,-1255.45 -753.08,-1190.13 IC1.3@-720,-1190.13
SWCLK: CON1.1 IC4.19 | length 367.4
  Bottom Copper w5: IC4.19@-847.53,-1603.27 -821.11,-1603.27 -736.97,-1519.13 -736.97,-1487.57 -703.77,-1454.37 -622.41,-1454.37 -609.53,-1441.49 -609.53,-1424.32 CON1.1@-590.64,-1405.43
SWDIO: CON1.8 IC4.18 | length 256.8
  Bottom Copper w5: IC4.18@-847.53,-1577.68 -814.06,-1577.68 -745.97,-1509.6 -745.97,-1460.76 CON1.8@-690.64,-1405.43
TIMLAT: CON1.2 IC4.13 IC7.20 | length 3084.1
  Top Copper w5: v1(-435.99,-1732.74) -440.21,-1732.74 -461.32,-1711.63 -461.32,-1698.14 -451.78,-1688.61 -419.84,-1688.61 v1(-398.43,-1710.01) ; v1@221.79,-1442.16 277.03,-1442.16 v1(277.19,-1442.32)
  Bottom Copper w5: IC4.13@-847.53,-1449.73 -872.67,-1449.73 -876.67,-1453.73 -876.67,-1634.81 -868.25,-1643.23 -818.32,-1643.23 -802.48,-1659.08 -514.91,-1659.08 -441.25,-1732.74 v1(-435.99,-1732.74) -428.76,-1725.51 -428.76,-1698.14 -438.3,-1688.61 -457.75,-1688.61 -524.63,-1621.73 -524.63,-1571.45 CON1.2@-590.64,-1505.43 ; v1(-398.43,-1710.01) -395.95,-1712.5 -387.5,-1712.5 -385.28,-1714.72 -382.69,-1714.72 -373.15,-1724.26 -373.15,-1726.85 -362.79,-1737.21 145.94,-1737.21 190.67,-1692.48 190.67,-1462.24 208.09,-1444.83 217.18,-1444.83 219.37,-1447.03 219.37,-1444.58 v1(221.63,-1442.32) ; v1(277.19,-1442.32) 296.13,-1442.32 350.01,-1496.2 350.01,-1510.01 390.2,-1550.2 420.04,-1550.2 484.12,-1486.12 794.9,-1486.12 1014.89,-1266.13 IC7.20@1117.13,-1266.13
TX: CON2.2 IC7.22 | length 890.7
  Bottom Copper w5: CON2.2@305.12,-1614.17 351.09,-1568.2 427.5,-1568.2 466.1,-1529.6 956.73,-1529.6 1062.2,-1424.13 IC7.22@1117.13,-1424.13
UART: CON1.7 IC4.20 IC7.17 R25.2 | length 3006.5
  Top Copper w5: v1(-445.04,-1704.89) -436.23,-1704.89 -410.12,-1731 v1(-389.43,-1731) ; v1(212.63,-1463.31) 216.18,-1463.31 223.86,-1470.99 v1(259.19,-1470.99)
  Bottom Copper w5: IC4.20@-841.2,-1628.86 -819.97,-1628.86 -798.75,-1650.08 -642.12,-1650.08 ; CON1.7@-690.64,-1505.43 -642.12,-1553.96 -642.12,-1650.08 ; v1(-445.04,-1704.89) -447.24,-1704.89 -454.52,-1697.61 -461.48,-1697.61 -509.01,-1650.08 -642.12,-1650.08 ; v1(-389.43,-1731) -387.23,-1731 -372.01,-1746.21 195.06,-1746.21 219.91,-1721.36 219.91,-1474.14 212.63,-1466.86 v1(212.63,-1463.31) ; v1(259.19,-1470.99) 251.91,-1463.71 251.91,-1431.85 278.76,-1405 300.27,-1405 319.77,-1385.5 319.77,-1242.74 333.8,-1228.72 396.29,-1228.72 405.29,-1237.72 578.72,-1237.72 604,-1263 ; R25.2@405.12,-1317.83 405.12,-1313.43 412.46,-1306.09 560.91,-1306.09 604,-1263 ; IC7.17@1118.13,-1030.13 1113.76,-1034.5 1028.23,-1034.5 799.73,-1263 604,-1263

## Polygon pours and split planes (outlines as drawn)
GND on Bottom Copper "BOTTOM_GND" (solid, remove dead copper, pour order 28): -1181.1,1181.1 1181.1,1181.1 1181.1,-1771.65 -1181.1,-1771.65
GND on Signal Layer 1 "TOP_GND" (solid, remove dead copper, pour order 37): -1181.1,1180.64 1181.1,1180.64 1181.1,-1772.12 -1181.1,-1772.12
GND on Top Copper "TOP_GND" (solid, remove dead copper, pour order 52): -1179.06,1178.41 1183.15,1178.41 1183.15,-1774.35 -1179.06,-1774.35
GND on Signal Layer 2 "GND_L03_P054" (solid, pour order 54): 1181.1,1181.1 1181.1,-1771.65 -1181.1,-1771.65 -1181.1,1181.1

## Other copper
Top Copper:
  pour cut-out: -838.58,1165.35 -838.58,1094.49 -618.11,1094.49 -618.11,1165.35
  text "1" at -832.68,1100.42 h40
Signal Layer 1:
  pour cut-out: -839.18,1165.16 -839.18,1094.29 -618.71,1094.29 -618.71,1165.16
  text "2" at -781.5,1100.42 h40
Signal Layer 2:
  pour cut-out: -839,1164.98 -839,1094.11 -618.53,1094.11 -618.53,1164.98
  text "3" at -730.32,1100.42 h40
Bottom Copper:
  pour cut-out: -839.18,1165.16 -839.18,1094.29 -618.71,1094.29 -618.71,1165.16
  text "4" at -679.14,1100.42 h40

## Silkscreen, mask and mechanical layers (free items; w line width, h text height)
Bottom Overlay:
  drawing of 97 lines, arcs and shapes, not listed
  text "dasclock.com" at 268.86,1007.11 h120
  text "Version 1.1 / '.ModifiedDate' / '.ModifiedTime'" at 106.5,887 h40
  text "Ambient / Light Sensor" at -858.27,678.49 h50
  text "JLCJLCJLCJLC" at 997.28,-1354.33 h31.5
  text "EN  TX  RX" at 209.42,-1737.83 h55 r270
  text "5V0 RST SER SWD" at -776.82,-1745.2 h55 r270
  text "3V3 GND TIM SCK" at -533.78,-1745.2 h55 r270
  text "3V3 GND IO0" at 458.12,-1753.23 h55 r270
Mechanical 4:
  lines w1: -1181.1,-1692.91 ccw(c-1102.36,-1692.91) -1102.36,-1771.65 1102.36,-1771.65 ccw(c1102.36,-1692.91) 1181.1,-1692.91 1181.1,1003.94 ccw(c1003.94,1003.94) 1003.94,1181.1 -1003.94,1181.1 ccw(c-1003.94,1003.94) -1181.1,1003.94 -1181.1,-1692.91 ; -659.45,39.37 ccw(c-649.61,39.37) -649.61,29.53 -41.34,29.53 ccw(c-41.34,39.37) -31.5,39.37 -31.5,433.07 ccw(c-41.34,433.07) -41.34,442.91 -649.61,442.91 ccw(c-649.61,433.07) -659.45,433.07 -659.45,39.37 ; -313.98,-507.87 ccw(c-304.13,-507.87) -304.13,-517.72 304.13,-517.72 ccw(c304.13,-507.87) 313.98,-507.87 313.98,-114.17 ccw(c304.13,-114.17) 304.13,-104.33 -304.13,-104.33 ccw(c-304.13,-114.17) -313.98,-114.17 -313.98,-507.87 ; 31.5,39.37 ccw(c41.34,39.37) 41.34,29.53 649.61,29.53 ccw(c649.61,39.37) 659.45,39.37 659.45,433.07 ccw(c649.61,433.07) 649.61,442.91 41.34,442.91 ccw(c41.34,433.07) 31.5,433.07 31.5,39.37 ; 340.55,-507.87 ccw(c350.39,-507.87) 350.39,-517.72 649.61,-517.72 ccw(c649.61,-507.87) 659.45,-507.87 659.45,-114.17 ccw(c649.61,-114.17) 649.61,-104.33 350.39,-104.33 ccw(c350.39,-114.17) 340.55,-114.17 340.55,-507.87
Sheet:
  circle w4: c1003.94,1003.94 r98.43
  circle w4: c0,-1594.49 r98.43
  circle w4: c-1003.94,1003.94 r98.43
  lines w1: -2120,-2565 -2120,1935 5125,1935 5125,-2565 -2120,-2565
  lines w4: -983.2,540.2 ccw(c-983.2,589.41) -983.2,540.2
  lines w10: -984.26,590.55 -984.25,590.55
  text "Desktop Studio Clock" at 2630.27,1410.6 h157.48
  text "For the 60 minute LEDS: / --------------------------------- /   Anode (+) is on the outer side of each LED in the circle (closest to the edge) /   Cathode (-) is on the inner side (closest to the middle) /  /  / For the 12 hour LEDS: / ------------------------------ /   Anode (+) is on the outer side of each LED in the circle (closest to the edge) /   Cathode (-) is on the inner side (closest to the middle) /  / For the 2 middle LEDs: / ------------------------------- /   Anode (+) is on the high (upper) side, Cathode (-) on the lower side" at 1896.41,-1807.42 h90

## Dimensions
1181.1,1181.1 to 551.15,944.72 on Sheet
-983.2,589.41 to -1264.14,308.47 on Sheet
-1102.36,-1692.91 to -1275.44,-1853.67 on Sheet
551.15,944.72 to 1181.1,1003.94 on Sheet
945.07,-472.58 to 1003.94,1181.1 on Sheet
-1003.94,1003.94 to -1181.1,1003.94 on Sheet
-1003.94,1003.94 to -1003.94,1181.1 on Sheet
-984.26,620.08 to -1181.1,1003.94 on Sheet
-984.26,590.55 to -1003.94,1181.1 on Sheet
-1003.94,1003.94 to -1206.37,916.31 on Sheet
945.07,551.15 to 1003.94,1181.1 on Sheet
945.07,-471.47 to 1181.1,1003.94 on Sheet
0,-1594.49 to 1102.36,-1771.65 on Sheet
0,-1594.49 to 1181.1,-1771.65 on Sheet
-1003.94,1003.94 to -1276,1266 on Sheet
1181.1,-1771.65 to -1181.1,-1692.91 on Sheet
1003.94,1181.1 to 1181.1,-1771.65 on Sheet